# Altium PCB egse_pcb.PcbDoc (part 2 of 3) (continued)
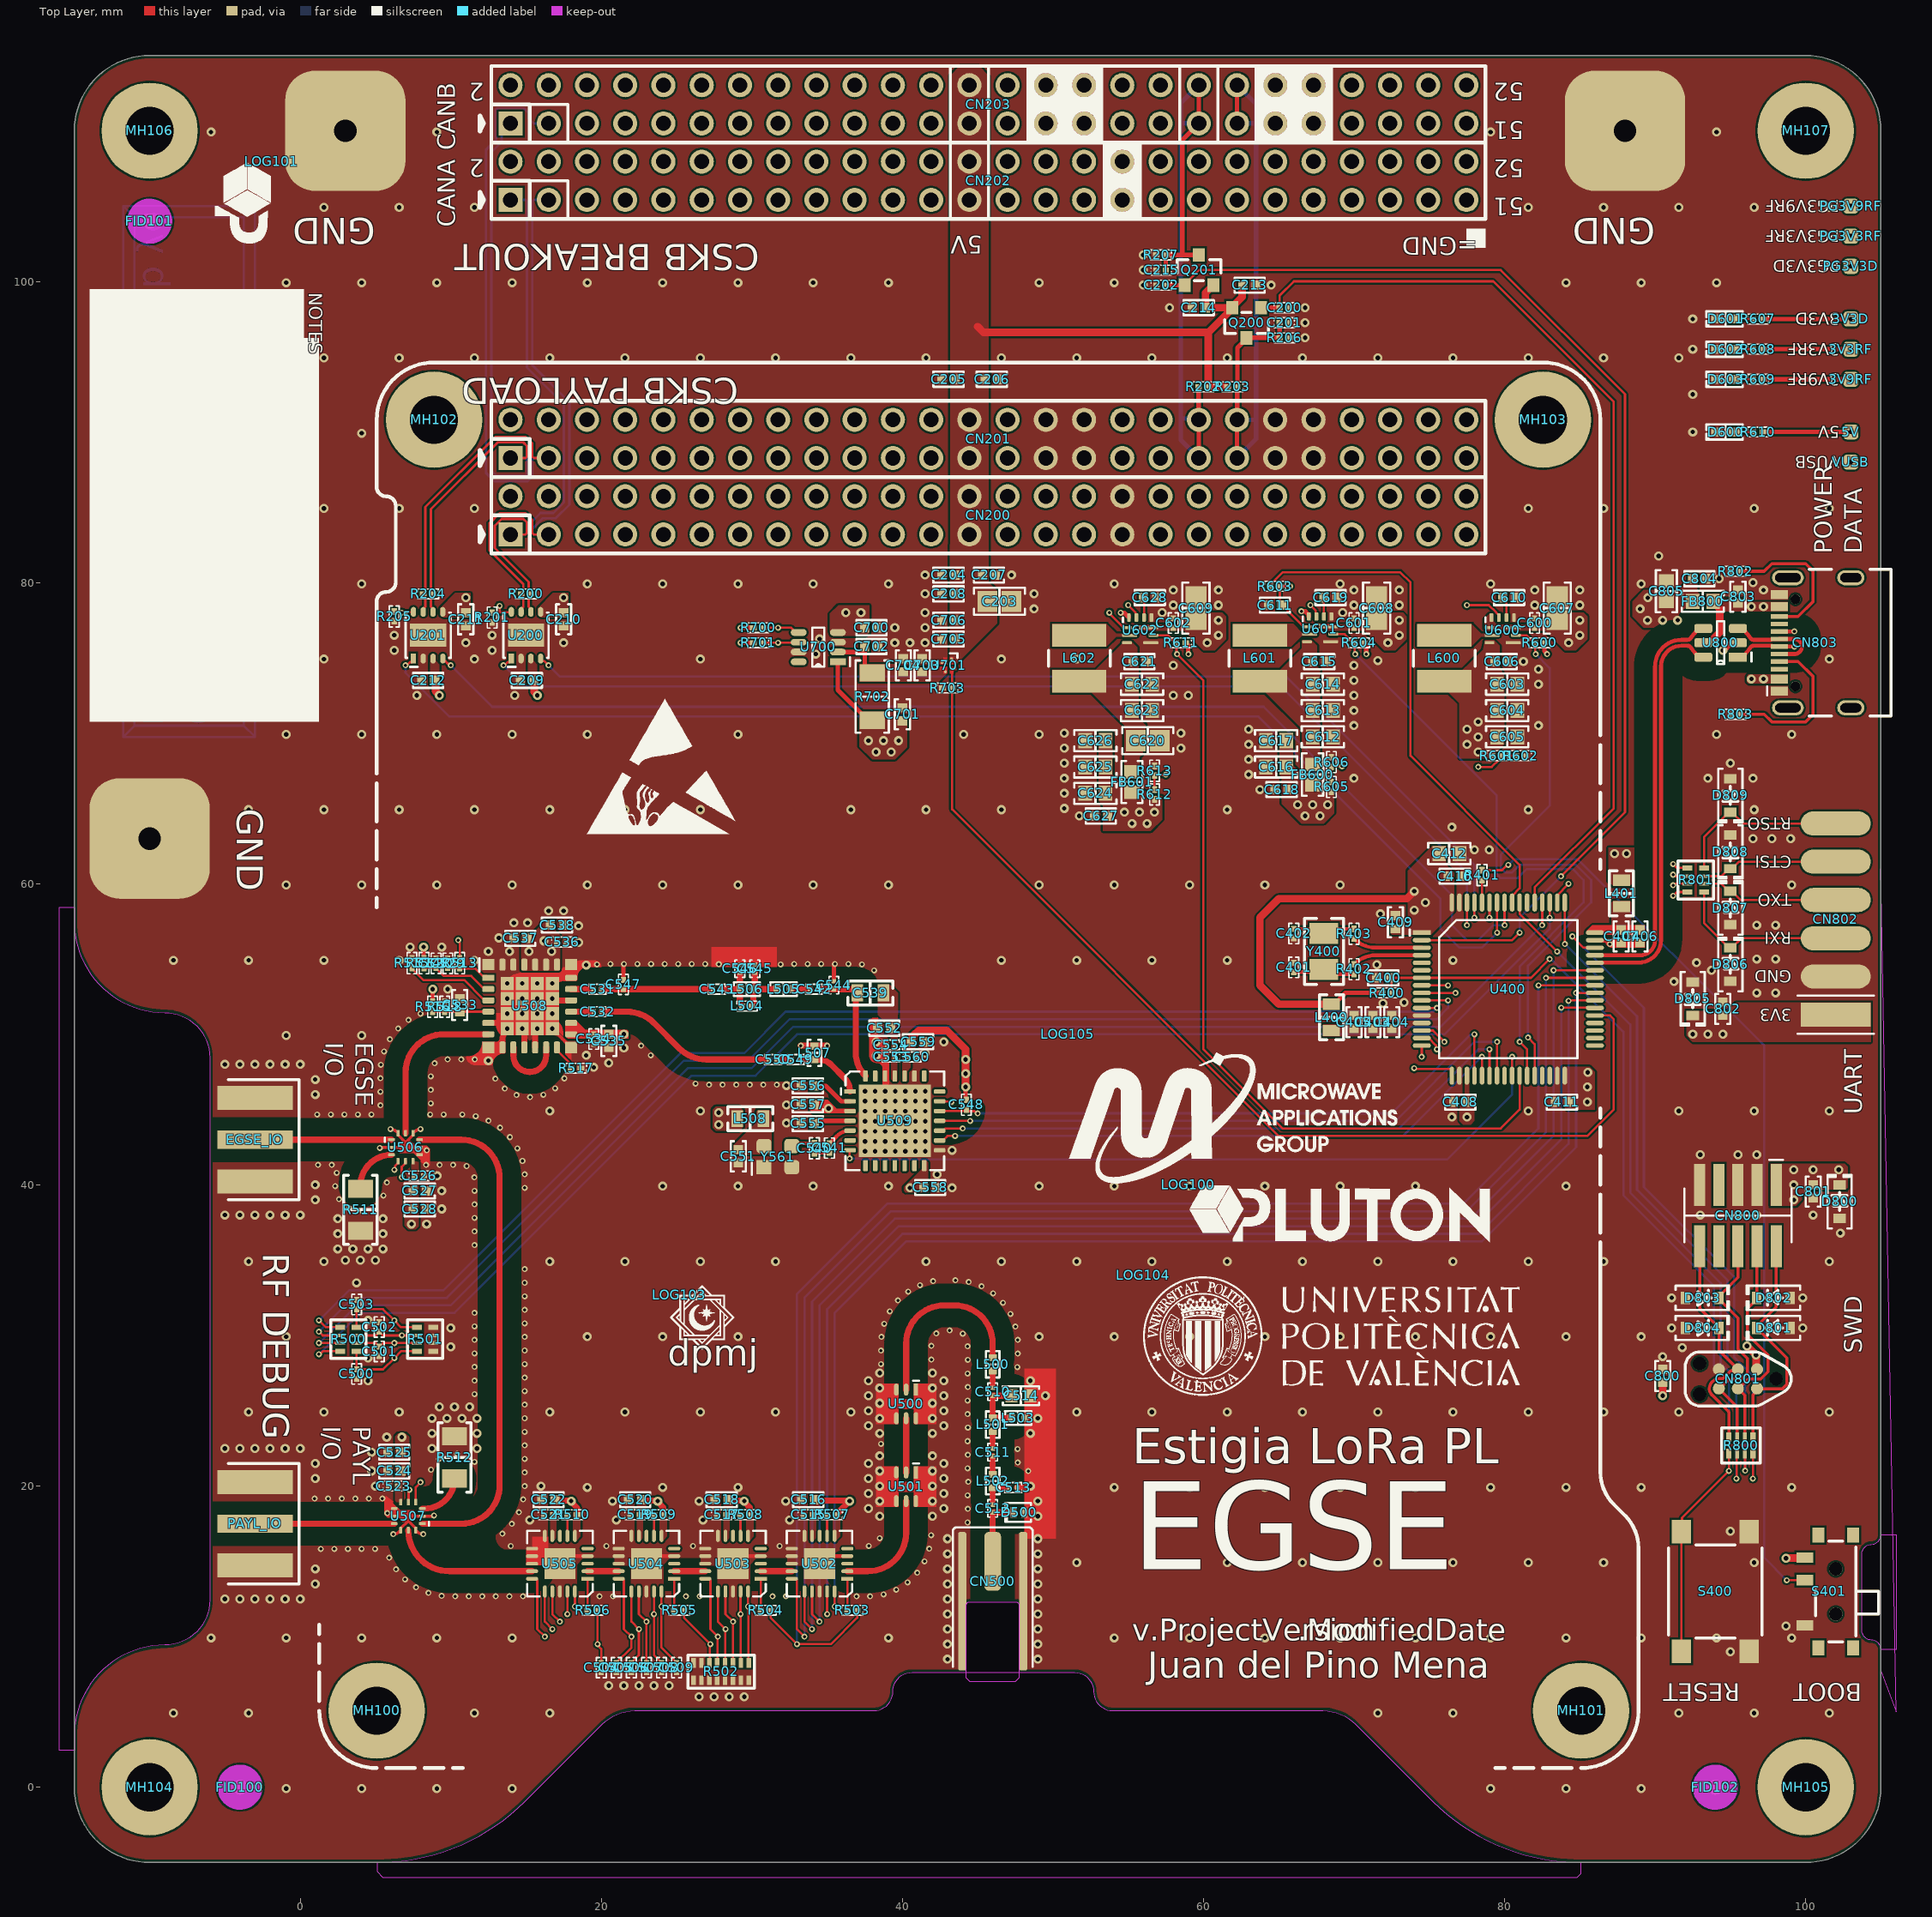
[diagram p0: Top Layer view]
## Nets (pads, with @x,y where several pads share a name; then routed paths per layer and width w, separated by ;. In a path a pad name is that pad's centre, name@x,y a point inside that pad or via, vN(x,y) a via of type N, cw(c..) or ccw(c..) an arc to the next point about the centre after c; other vN are vias at no path point) (continued)
  Bottom Layer w0.15: v2(13.5,74.5) 14.9,73.1 65.15,73.1 77.5,60.75 v2(77.5,57.25)
CAN2.RX: U201.4 U400.57 | length 81.4
  Top Layer w0.15: v2(80,57.25) U400.57@80,58.75
  Top Layer w0.16: U201.4@9.475,74.95 9.475,74.851 9.563,74.764 9.661,74.764 9.811,74.614 9.821,74.614 9.935,74.5 v2(10,74.5)
  Bottom Layer w0.15: v2(10,74.5) 12.75,71.75 64,71.75 76.5,59.25 76.5,57.25 77.5,56.25 78.25,56.25 79.25,57.25 v2(80,57.25)
CAN2.TX: U201.1 U400.58 | length 84.9
  Top Layer w0.15: v2(79.5,56.75) U400.58@79.5,58.75
  Top Layer w0.16: v2(7,74.5) 7.046,74.546 7.121,74.546 7.28,74.705 7.43,74.705 7.525,74.8 U201.1@7.525,74.95
  Bottom Layer w0.15: v2(7,74.5) 7,74 9.9,71.1 63.65,71.1 75.75,59 75.75,57 77,55.75 78.5,55.75 v2(79.5,56.75)
CAN_A_2_H: CN200.3 CN202.3 R200.2 U200.7 | length 39.1
  Top Layer w0.16: U200.7@14.675,78.05 14.675,78.244 14.82,78.389 14.82,79.061 14.815,79.066 14.815,79.155 R200.2@14.72,79.25 ; R200.2@14.675,79.25 R200.2@14.72,79.25 ; CN200.3@16.51,83.19 15.514,83.19 15.42,83.284 15.42,84.142 14.972,84.59 13.233,84.59 12.57,83.927 12.57,82.141 14.82,79.891 14.82,79.439 14.815,79.434 14.815,79.345 R200.2@14.72,79.25
  Bottom Layer w0.16: CN200.3@16.51,83.19 15.514,83.19 15.42,83.284 15.42,83.571 16.115,84.265 16.976,84.265 17.875,85.165 17.875,91.98 15.42,94.435 15.42,105.316 15.514,105.41 CN202.3@16.51,105.41
CAN_A_2_L: CN200.1 CN202.1 R200.1 U200.6 | length 37.9
  Top Layer w0.16: CN200.1@13.97,83.19 14.966,83.19 15.06,83.284 15.06,83.993 14.823,84.23 13.382,84.23 12.93,83.778 12.93,82.291 15.18,80.041 15.18,79.439 15.185,79.434 15.185,79.345 R200.1@15.28,79.25 ; U200.6@15.325,78.05 15.325,78.244 15.18,78.389 15.18,79.061 15.185,79.066 15.185,79.155 R200.1@15.28,79.25 ; R200.1@15.325,79.25 R200.1@15.28,79.25
  Bottom Layer w0.16: CN200.1@13.97,83.19 14.966,83.19 15.06,83.284 15.06,83.72 15.966,84.625 16.827,84.625 17.515,85.314 17.515,91.831 15.06,94.286 15.06,105.316 14.966,105.41 CN202.1@13.97,105.41
CAN_A_STBY: R201.2 U200.8 U400.16 | length 76.1
  Top Layer w0.16: R201.2@12.75,78 13.25,78 13.275,78.025 ; v2(13.25,78.455) 13.25,78.05 13.275,78.025 ; U200.8@14.025,78.05 14,78.025 13.275,78.025 ; v2(74.5,48.5) U400.16@74.5,49.25
  INT-SIG-1 w0.16: v2(13.25,78.455) 13.26,78.445 18.055,78.445 42.75,53.75 69.25,53.75 v2(74.5,48.5)
CAN_B_2_H: CN201.3 CN203.3 R204.2 U201.7 | length 52.7
  Top Layer w0.16: U201.7@8.175,78.05 8.175,78.244 8.32,78.389 8.32,79.061 8.315,79.066 8.315,79.155 R204.2@8.22,79.25 ; R204.2@8.175,79.25 R204.2@8.22,79.25 ; CN201.3@16.51,88.27 15.514,88.27 15.42,88.364 15.42,89.222 14.972,89.67 12.968,89.67 8.32,85.022 8.32,79.439 8.315,79.434 8.315,79.345 R204.2@8.22,79.25
  Bottom Layer w0.16: CN201.3@16.51,88.27 15.514,88.27 15.42,88.176 15.42,87.04 15.115,86.735 12.894,86.735 12.34,87.289 12.34,108.734 13.022,109.416 13.022,109.548 12.965,109.605 12.965,111.375 13.085,111.495 14.855,111.495 15.184,111.166 15.184,110.819 15.514,110.49 CN203.3@16.51,110.49
CAN_B_2_L: CN201.1 CN203.1 R204.1 U201.6 | length 45.4
  Top Layer w0.16: U201.6@8.825,78.05 8.825,78.244 8.68,78.389 8.68,79.061 8.685,79.066 8.685,79.155 R204.1@8.78,79.25 ; R204.1@8.825,79.25 R204.1@8.78,79.25 ; CN201.1@13.97,88.27 14.966,88.27 15.06,88.364 15.06,89.073 14.823,89.31 13.117,89.31 8.68,84.873 8.68,79.439 8.685,79.434 8.685,79.345 R204.1@8.78,79.25
  Bottom Layer w0.16: CN201.1@13.97,88.27 14.966,88.27 15.06,88.176 15.06,87.189 14.966,87.095 13.043,87.095 12.7,87.438 12.7,108.585 13.382,109.267 13.382,109.902 CN203.1@13.97,110.49
CAN_B_STBY: R205.2 U201.8 U400.17 | length 84.2
  Top Layer w0.16: R205.2@6.25,78.075 6.288,78.037 6.712,78.037 v2(6.75,78) 6.775,78.025 7.437,78.025 U201.8@7.525,78.113 ; U201.8@7.525,78.05 U201.8@7.525,78.113 ; U201.8@7.525,78.149 U201.8@7.525,78.113 ; v2(74,47.75) 74.046,47.704 76.435,47.704 76.5,47.639 U400.17@76.5,47.25
  INT-SIG-1 w0.16: v2(6.75,78) 17.5,78 42.5,53 68.75,53 v2(74,47.75)
DC3V3.FB_11: R601.1 R602.2 U600.9 | length 17.4
  Top Layer w0.15: v2(77.5,78.5) 78.954,78.5 79.45,78.004 79.45,78 79.625,77.825 U600.9@79.625,77.675 ; v2(78.25,67.75) 79.148,67.75 79.65,68.252 79.65,68.312 79.68,68.342 79.68,68.4 79.78,68.5 R602.2@80.75,68.5
  INT-SIG-1 w0.15: v2(77.5,78.5) 76.75,77.75 76.75,68.75 77.75,67.75 v2(78.25,67.75)
DC3V3.SS_11: C610.2 U600.8 | length 1.4
  Top Layer w0.15: C610.2@79.87,79 79.87,78.98 80.125,78.725 U600.8@80.125,77.675
DC3V3.SW_11: L600.1 U600.2
EN_BUS_PWR: R703.1 U400.37 U701.4 | length 70.5
  Top Layer w0.15: 43.38,74.18 43.31,74.11 ; U701.4@43.48,74.3 43.48,74.287 43.31,74.117 43.31,74.11 ; U400.37@86,51.25 87,51.25 87.25,51 87.25,45 85.5,43.25 65,43.25 43.31,64.94 R703.1@43.31,73 43.31,74.11
EN_RF_PWR: R603.2 U400.56 | length 34.5
  Top Layer w0.15: R603.2@64.425,79.75 64.47,79.75 64.57,79.85 64.57,79.989 65.269,80.688 73.062,80.688 73.75,80 73.75,68.5 81,61.25 81,59.695 80.5,59.195 U400.56@80.5,58.75
FE_TR: R513.2 U509.20 | length 40.1
  Top Layer w0.15: v2(10.5,56.25) 10.5,56.182 10.6,56.082 R513.2@10.6,55.05 ; U509.20@42.475,45.55 42.5,45.525 43.225,45.525 v2(43.25,45.5)
  INT-SIG-1 w0.15: v2(10.5,56.25) 10.5,54.75 11.25,54 19.5,54 26.25,47.25 41.5,47.25 v2(43.25,45.5)
GND: C200.1 C201.1 C202.1 C203.1 C204.1 C205.1 C206.1 C207.1 C208.1 C209.1 C210.1 C211.1 C212.1 C213.1 C214.1 C215.1 C400.1 C401.1 C402.1 C403.1 C404.1 C405.1 C406.1 C407.1 C408.1 C409.1 C410.1 C411.1 C412.1 C500.1 C501.1 C502.1 C503.1 C504.1 C505.1 C506.1 C507.1 C508.1 C509.1 C513.1 C514.1 C515.1 C516.1 C517.1 C518.1 C519.1 C520.1 C521.1 C522.1 C523.1 C524.1 C525.1 C526.1 C527.1 C528.1 C529.1 C530.1 C533.1 C534.1 C535.1 C536.1 C537.1 C538.1 C544.1 C545.1 C546.1 C547.1 C551.1 C552.1 C553.1 C554.2 C555.1 C556.1 C557.1 C558.1 C559.1 C560.1 C600.1 C601.1 C602.1 C603.1 C604.1 C605.1 C606.1 C607.1 C608.1 C609.1 C610.1 C611.1 C612.1 C613.1 C614.1 C615.1 C616.1 C617.1 C618.1 C619.1 C620.1 C621.1 C622.1 C623.1 C624.1 C625.1 C626.1 C627.1 C628.1 C700.1 C701.1 C702.1 C703.1 C704.1 C705.1 C706.1 C800.1 C801.1 C802.1 C803.1 C804.1 C805.1 CN200.33 CN200.34 CN201.29 CN201.30 CN201.31 CN201.32 CN201.41 CN201.42 CN201.43 CN201.44 CN202.33 CN202.34 CN203.29 CN203.30 CN203.31 CN203.32 CN203.41 CN203.42 CN203.43 CN203.44 CN500.2 CN800.3 CN800.5 CN800.9 CN801.5 CN802.2 CN803.A1-B12 CN803.B1-A12 D500.1 D600.2 D601.2 D602.2 D603.2 D800.1 D801.1 D802.1 D803.1 D804.1 D805.1 D806.1 D807.1 D808.1 D809.1 EGSE_IO.2 L503.2 L507.2 pad.GND1 pad.GND2 pad.GND3 PAYL_IO.2 R201.1 R205.1 R206.2 R207.2 R501.5 R501.6 R501.7 R501.8 R502.1 R502.2 R502.3 R502.4 R502.5 R502.6 R502.7 R502.8 R502.15 R502.16 R511.1 R512.1 R515.1 R517.1 R518.1 R602.1 R606.1 R613.1 R703.2 R802.1 R803.1 S400.A1 S400.A2 S401.1 U200.0 U200.2 U201.0 U201.2 U400.12 U400.18 U400.31 U400.47 U400.63 U500.0 U500.1 U500.3 U500.4 U500.6 U501.0 U501.1 U501.3 U501.4 U501.6 U502.0 U502.4 U502.10 U502.11 U502.12 U502.13 U502.18 U503.0 U503.4 U503.10 U503.11 U503.12 U503.13 U503.18 U504.0 U504.4 U504.10 U504.11 U504.12 U504.13 U504.18 U505.0 U505.4 U505.10 U505.11 U505.12 U505.13 U505.18 U506.0 U506.2 U506.7 U506.8 U506.10 U506.12 U507.0 U507.2 U507.7 U507.8 U507.10 U507.12 U508.0 U508.1 U508.6 U508.8 U508.9 U508.11 U508.12 U508.15 U508.19 U508.21 U508.22 U508.27 U508.28 U509.0 U509.15 U509.23 U509.26 U600.4 U600.7 U601.4 U601.7 U602.4 U602.7 U700.3 U700.7 U701.2 U800.2 Y561.1 Y561.2 | length 30.3
  Top Layer w0.2: v2(5.288,42.453) cw(c5.403,42.338) 5.403,42.5 U506.2@6.07,42.5 U506.0@7,42.5 ; v2(6,43.7) cw(c6,43.145) 6.392,43.538 U506.12@6.5,43.43 6.5,43.31 7,42.81 ; v2(6.18,16.8) ccw(c6.18,17.355) 6.573,16.963 U507.10@6.68,17.07 ; U507.10@6.68,17.19 7.18,17.69 U507.12@7.68,17.19 ; U507.0@7.18,18 U507.2@8.11,18 v2@8.777,18 ; U507.12@7.68,17.07 7.787,16.963 ccw(c8.18,17.355) v2(8.18,16.8) ; v2(8,43.7) ccw(c8,43.145) 7.607,43.537 U506.10@7.5,43.43 7.5,43.31 7,42.81 ; v2(8.364,41.329) 8.326,41.368 8.326,41.724 8.05,42 U506.7@7.93,42 U506.8@7.93,42.5 U506.0@7,42.5 ; v4(16.75,50.375) U508.15@17.999,49.126 ; U506.0@7,42.5 7,42.81
  Top Layer w0.3: C547.1@21.47,53.62 21.47,54.605 21.509,54.644 v2(21.509,54.671) ; C544.1@35.45,53.52 35.45,54.671 v2(35.512,54.671)
  Top Layer w0.4: U508.6@12.5,50.75 13.845,50.75 cw(c13.845,49.47) v4(14.75,50.375) cw(c14.419,50.044) 14.887,50.044 U508.11@14.887,49.125 ; U508.9@13.437,49.125 13.437,49.619 cw(c14.506,49.619) v4(13.75,50.375) ; U508.12@15.612,49.125 15.612,50.042 cw(c16.083,50.042) v4(15.75,50.375) ; v4(16.75,52.375) ccw(c17.052,52.677) 17.052,52.25 U508.19@17.999,52.25 ; v4(16.75,53.375) cw(c17.655,52.47) 17.655,53.75 U508.21@17.999,53.75 U508.22@17.999,54.625
  Top Layer w0.408: v2(33.25,49.25) 33.894,49.25 33.903,49.241 34.124,49.241 L507.2@34.16,49.205 ; L507.2@34.142,49.222 L507.2@34.16,49.241 ; L507.2@34.16,49.25 v2(35,49.25) ; C513.1@47.62,19.9 48.348,19.9 48.448,20 v1(48.5,20) ; D500.1@48.1,18.25 49.25,18.25 ; v1(94.5,75.5) 94.552,75.5 94.956,75.904 95.404,75.904 U800.2@95.5,76
  other v1: -0.923,-0.085 4.077,-0.085 9.077,-0.085 14.077,-0.085 79.077,-0.085 84.077,-0.085 89.077,-0.085 -8.423,4.915 -3.423,4.915 11.577,4.915 16.577,4.915 71.577,4.915 76.577,4.915 91.577,4.915 96.577,4.915 101.577,4.915 26.5,6 27.5,6 28.5,6 29.5,6 20.5,6.75 21.5,6.75 22.5,6.75 23.5,6.75 24.5,6.75 43,8.5 49,8.5 95,9 43,9.5 49,9.5 -5.923,9.915 -0.923,9.915 4.077,9.915 9.077,9.915 14.077,9.915 39.077,9.915 54.077,9.915 59.077,9.915 64.077,9.915 69.077,9.915 74.077,9.915 79.077,9.915 84.077,9.915 89.077,9.915 94.077,9.915 99.077,9.915 43,10.5 49,10.5 98.7,10.7 43,11.5 49,11.5 -5,12.5 -4,12.5 -3,12.5 -2,12.5 -1,12.5 0,12.5 43,12.5 49,12.5 1,13.5 43,13.5 49,13.5 1,14.5 43,14.5 49,14.5 51.577,14.915 56.577,14.915 61.577,14.915 66.577,14.915 71.577,14.915 76.577,14.915 81.577,14.915 86.577,14.915 96.577,14.915 43,15.5 49,15.5 43,16.5 49,16.5 95,17 15.25,17.75 21,17.75 26.75,17.75 32.5,17.75 38.5,18 42,18 49,18 37.75,18.5 42.75,18.5 20.75,19 26.5,19 32.25,19 38.5,19 42,19 49,19 37.75,19.5 42.75,19.5 19.077,19.915 24.077,19.915 29.077,19.915 54.077,19.915 59.077,19.915 64.077,19.915 69.077,19.915 74.077,19.915 79.077,19.915 84.077,19.915 89.077,19.915 99.077,19.915 5,20 16,20 38.5,20 42,20 1,20.5 37.75,20.5 42.75,20.5 4.75,21 38.5,21 42,21 1,21.5 37.75,21.5 42.75,21.5 38.5,22 42,22 4.75,22.25 -5,22.5 -4,22.5 -3,22.5 -2,22.5 -1,22.5 0,22.5 8.75,22.5 11.75,22.5 5.75,23.25 8.75,23.5 11.75,23.5 38.5,23.5 42,23.5 48.5,23.5 37.75,24 42.75,24 8.75,24.5 9.75,24.5 10.75,24.5 11.75,24.5 38.5,24.5 42,24.5 49,24.5 -3.423,24.915 1.577,24.915 6.577,24.915 16.577,24.915 21.577,24.915 26.577,24.915 31.577,24.915 36.577,24.915 51.577,24.915 56.577,24.915 61.577,24.915 66.577,24.915 71.577,24.915 76.577,24.915 81.577,24.915 86.577,24.915 91.577,24.915 101.577,24.915 37.75,25 42.75,25 9.25,25.25 10.25,25.25 11.25,25.25 38.5,25.5 42,25.5 37.75,26 42.75,26 49.5,26 38.5,26.5 42,26.5 4.5,27 37.75,27 42.75,27 48.5,27 38.5,27.5 42,27.5 4.5,28.5 90.5,28.6 91.8,29.2 10,29.25 -0.923,29.915 19.077,29.915 24.077,29.915 29.077,29.915 49.077,29.915 54.077,29.915 59.077,29.915 64.077,29.915 69.077,29.915 74.077,29.915 79.077,29.915 84.077,29.915 89.077,29.915 10,30.5 91.1,30.5 99.8,30.5 4.5,31 91.1,32.5 99.8,32.5 3.75,33.5 -3.423,34.915 1.577,34.915 16.577,34.915 21.577,34.915 26.577,34.915 31.577,34.915 41.577,34.915 46.577,34.915 51.577,34.915 56.577,34.915 61.577,34.915 66.577,34.915 71.577,34.915 76.577,34.915 81.577,34.915 86.577,34.915 101.577,34.915 3,35 4,35 5,35 2.5,35.75 3.5,35.75 4.5,35.75 5.5,35.75 2.5,36.75 5.5,36.75 102.3,36.8 8.4,37.4 2.5,37.75 5.5,37.75 -5,38 -4,38 -3,38 -2,38 -1,38 0,38 93,38 95.5,38 96.75,38 100.5,38 9.4,38.4 1,39 9.4,39.6 43.3,39.8 24.077,39.915 29.077,39.915 34.077,39.915 39.077,39.915 49.077,39.915 54.077,39.915 59.077,39.915 64.077,39.915 69.077,39.915 74.077,39.915 84.077,39.915 1,40 9.1,40.6 42.3,40.7 93,42 95.5,42 96.75,42 43.3,42.3 32.3,44.1 76.5,44.5 16.577,44.915 26.577,44.915 81.577,44.915 91.577,44.915 96.577,44.915 101.577,44.915 32.3,45.3 1,46 32.3,46.6 1,47 19.5,47.8 -5,48 -4,48 -3,48 -2,48 -1,48 0,48 20.5,48.1 12.5,48.25 38.25,48.59 19,48.6 41.5,48.75 21.5,49.1 38.25,49.5 42.75,49.5 -0.923,49.915 4.077,49.915 71.917,52.055 73.327,52.113 96.75,52.75 98,52.75 9.8,53 91.25,53.5 93.75,54.25 19,54.6 71.517,54.621 92.75,54.75 -8.423,54.915 -3.423,54.915 1.577,54.915 6.577,54.915 11.577,54.915 46.577,54.915 51.577,54.915 56.577,54.915 61.577,54.915 76.577,54.915 96.75,55 98,55 12.5,55.5 13.9,55.5 7.3,55.8 9.4,55.8 18.5,56.1 13.2,56.4 18.5,57.2 96.75,57.25 98,57.25 14.2,57.4 15.1,57.4 71.75,58 16.5,58.2 17.5,58.2 -0.923,59.915 4.077,59.915 9.077,59.915 14.077,59.915 19.077,59.915 24.077,59.915 29.077,59.915 34.077,59.915 39.077,59.915 49.077,59.915 54.077,59.915 59.077,59.915 64.077,59.915 69.077,59.915 99.077,59.915 78,62.25 78.975,62.25 96.5,63 97.75,63 99,63 76.5,63.75 51.75,64.5 -3.423,64.915 1.577,64.915 6.577,64.915 11.577,64.915 16.577,64.915 21.577,64.915 26.577,64.915 36.577,64.915 41.577,64.915 46.577,64.915 61.577,64.915 81.577,64.915 96.577,64.915 50.75,65 50.75,66 63.75,66.25 50.75,67 70,67 93.5,67 96.5,67 63,67.25 50.75,68 95,68 63,68.25 50.75,69 58.5,69 63,69.25 -0.923,69.915 4.077,69.915 9.077,69.915 14.077,69.915 19.077,69.915 24.077,69.915 29.077,69.915 44.077,69.915 49.077,69.915 94.077,69.915 99.077,69.915 50.75,70 58.5,70 63,70.25 70,70.5 82.25,70.5 70,71.5 7.75,72.5 14.25,72.5 58,72.5 59,72.5 70,72.5 82.25,73.25 70,73.5 82.25,74.25 58,74.5 70,74.5 81.25,74.75 71.577,74.825 1.577,74.915 11.577,74.915 26.577,74.915 46.577,74.915 51.577,74.915 101.577,74.915 34.25,75.25 6.25,75.5 12.75,75.5 11,76 17.5,76 39.5,76 40.5,76 41.5,76 34.5,76.25 6.25,76.5 12.75,76.5 39.5,77 41.5,77 41.5,78 57.25,78 69.25,78 48.75,78.25 58,78.5 61,78.5 70,78.5 73,78.5 82,78.5 85,78.5 41.5,79.25 48.75,79.25 58,79.5 61,79.5 70,79.5 73,79.5 82,79.5 85,79.5 97.2,79.5 -0.923,79.915 4.077,79.915 19.077,79.915 24.077,79.915 29.077,79.915 34.077,79.915 39.077,79.915 54.077,79.915 69.077,79.915 79.077,79.915 89.077,79.915 96.5,80 94.25,80.25 41.5,80.5 47.25,80.5 90.237,81.763 1.577,84.915 6.577,84.915 11.577,84.915 81.577,84.915 86.577,84.915 96.577,84.915 101.577,84.915 -0.923,89.915 4.077,89.915 92.5,90 92.5,92.5 1.577,94.915 6.577,94.915 11.577,94.915 16.577,94.915 21.577,94.915 26.577,94.915 31.577,94.915 36.577,94.915 41.577,94.915 46.577,94.915 51.577,94.915 56.577,94.915 61.577,94.915 66.577,94.915 71.577,94.915 76.577,94.915 81.577,94.915 86.577,94.915 91.577,94.915 92.5,95.5 66.75,96.25 66.75,97.25 92.5,97.5 57.75,98.25 66.75,98.25 56,99.75 64.5,99.75 -0.923,99.915 4.077,99.915 9.077,99.915 14.077,99.915 19.077,99.915 24.077,99.915 29.077,99.915 34.077,99.915 39.077,99.915 49.077,99.915 54.077,99.915 84.077,99.915 89.077,99.915 94.077,99.915 56,100.75 56,101.75 1.577,104.915 6.577,104.915 11.577,104.915 81.577,104.915 86.577,104.915 91.577,104.915 96.577,104.915 101.577,104.915 -5.923,109.915 9.077,109.915 79.077,109.915 94.077,109.915
  other v2: 10.296,12.674 11.196,12.674 12.096,12.674 12.996,12.674 13.896,12.674 14.796,12.674 19.878,12.674 20.778,12.674 25.628,12.674 26.528,12.674 31.378,12.674 32.278,12.674 36.956,12.674 37.856,12.677 9.396,12.705 38.747,12.808 8.518,12.903 39.59,13.122 7.697,13.272 40.348,13.606 6.97,13.802 40.985,14.242 6.366,14.469 41.47,15 5.908,15.244 1.373,15.829 2.273,15.829 3.173,15.829 4.073,15.829 4.973,15.829 41.786,15.843 13.985,16.016 20.345,16.016 26.095,16.016 31.845,16.016 37.763,16.025 38.501,16.54 41.918,16.733 13.436,16.836 14.058,17.486 44.329,17.582 8.892,18.047 5.78,18.2 14.524,18.256 44.354,18.481 14.813,19.109 0.961,19.171 1.861,19.171 2.761,19.171 3.661,19.171 4.561,19.171 5.461,19.171 44.329,19.381 14.92,20.002 44.378,20.28 14.921,20.902 48.363,20.988 8.69,21.085 44.329,21.178 47.671,21.563 11.579,21.607 9.226,21.807 14.921,21.802 44.342,22.078 10.425,22.152 47.649,22.463 14.921,22.702 38.579,22.795 44.329,22.978 14.921,23.602 44.354,23.878 14.921,24.502 44.329,24.778 14.921,25.402 44.329,25.678 11.579,26.107 14.921,26.302 44.342,26.577 11.579,27.007 14.921,27.202 44.329,27.477 11.579,27.907 47.644,27.902 14.921,28.102 38.579,28.101 44.348,28.377 41.921,28.403 11.579,28.807 47.671,28.802 14.921,29.002 38.579,29.001 44.329,29.277 41.921,29.303 11.579,29.707 47.661,29.702 38.605,29.901 14.921,29.902 44.013,30.12 42.259,30.137 43.138,30.329 11.579,30.607 47.515,30.59 38.797,30.78 14.921,30.802 47.181,31.426 11.579,31.507 39.168,31.6 14.921,31.702 46.676,32.171 39.703,32.323 14.921,32.602 46.03,32.797 40.383,32.913 45.262,33.267 41.173,33.344 14.921,33.502 44.41,33.558 42.035,33.603 43.517,33.668 14.921,34.402 11.579,36.007 11.579,36.907 11.579,37.807 4.132,38.27 3.249,38.443 4.976,38.581 11.579,38.707 2.585,39.051 5.533,39.288 11.579,39.607 14.921,39.802 2.325,39.912 5.754,40.161 11.57,40.507 14.911,40.702 2.431,40.806 11.06,41.249 1.193,41.329 2.093,41.329 9.264,41.329 10.164,41.329 14.765,41.59 8.4,42.3 14.431,42.426 13.926,43.171 13.28,43.797 12.512,44.267 11.66,44.558 1.135,44.671 2.035,44.671 2.935,44.671 3.835,44.671 4.735,44.671 8.629,44.671 9.529,44.671 10.767,44.668 5.329,45.281 8.671,45.413 15.266,45.824 14.378,45.971 16.152,45.98 5.329,46.181 8.671,46.313 13.583,46.395 16.941,46.413 27.164,46.654 28.064,46.654 28.964,46.654 29.864,46.654 30.764,46.654 31.664,46.654 26.266,46.718 12.962,47.045 5.329,47.081 17.554,47.073 8.671,47.213 5.361,47.981 8.932,48.074 9.795,48.329 10.695,48.329 11.595,48.329 23.283,48.605 5.567,48.857 22.646,49.241 5.959,49.667 6.508,50.38 7.198,50.958 7.996,51.374 38.119,54.239 19.709,54.639 37.312,54.637 27.808,54.653 31.913,54.645 20.609,54.671 22.409,54.671 23.309,54.671 24.209,54.671 25.109,54.671 26.009,54.671 26.909,54.671 32.812,54.671 33.712,54.671 34.612,54.671 36.412,54.671 87,56
  other v3: 37.525,42.225 38.19,42.225 38.86,42.225 39.525,42.225 40.19,42.225 40.86,42.225 41.525,42.225 37.525,42.89 38.19,42.89 38.86,42.89 39.525,42.89 40.19,42.89 40.86,42.89 41.525,42.89 37.525,43.56 38.19,43.56 38.86,43.56 39.525,43.56 40.19,43.56 40.86,43.56 41.525,43.56 37.525,44.225 38.19,44.225 38.86,44.225 39.525,44.225 40.19,44.225 40.86,44.225 41.525,44.225 37.525,44.89 38.19,44.89 38.86,44.89 39.525,44.89 40.19,44.89 40.86,44.89 41.525,44.89 37.525,45.56 38.19,45.56 38.86,45.56 39.525,45.56 40.19,45.56 40.86,45.56 41.525,45.56 37.525,46.225 38.19,46.225 38.86,46.225 39.525,46.225 40.19,46.225 40.86,46.225 41.525,46.225
  other v4: 13.75,51.375 14.75,51.375 15.75,51.375 16.75,51.375 13.75,52.375 14.75,52.375 15.75,52.375 13.75,53.375 14.75,53.375 15.75,53.375
HEAD.CTS_4: CN802.5 D808.2 R801.3 | length 9.1
  Top Layer w0.15: R801.3@93.25,60.5 94.398,60.5 94.898,61 D808.2@95,61 95.102,61 95.562,61.46 CN802.5@102,61.46
HEAD.NRST_4: CN800.10 CN801.3 D804.2 R800.4 | length 15.6
  Top Layer w0.2: CN800.10@92.96,35.93 92.96,31.79 93.935,30.815 94.037,30.815 94.25,30.602 D804.2@94.25,30.5 94.25,29 CN801.3@95.5,27.75 95.398,27.648 95.012,27.648 94.489,27.125 94.065,27.125 94.049,27.109 94.012,27.08 93.901,27.012 ccw(c94.23,26.48) 93.788,26.038 94.846,24.98 cw(c94.716,24.85) 94.9,24.85 R800.4@94.9,23.25
HEAD.RTS_4: CN802.6 D809.2 R801.4 | length 11.8
  Top Layer w0.15: R801.4@93.25,61.05 93.25,63.102 94.898,64.75 D809.2@95,64.75 95.102,64.75 95.853,64 CN802.6@102,64
HEAD.RX_4: CN802.3 D806.2 R801.1 | length 11.7
  Top Layer w0.15: R801.1@93.25,59.45 93.25,57.398 94.898,55.75 D806.2@95,55.75 95.102,55.75 95.732,56.38 CN802.3@102,56.38
HEAD.SWCLK_4: CN800.4 CN801.4 D802.2 R800.2 | length 15
  Top Layer w0.2: R800.2@95.95,23.25 95.95,26.03 CN801.4@95.5,26.48 95.574,26.48 96.199,27.105 97.009,27.105 97.5,27.596 97.5,28.7 96.125,30.075 96.125,31.773 96.76,32.407 CN800.4@96.76,35.92
  Top Layer w0.3: CN800.4@96.76,35.92 CN800.4@96.77,35.93
HEAD.SWDIO_4: CN800.2 CN801.2 D801.2 R800.1 | length 16.1
  Top Layer w0.2: R800.1@96.5,23.25 96.5,26.063 96.77,26.333 CN801.2@96.77,26.48 96.81,26.44 98.44,26.44 98.75,26.75 98.75,28.5 97.065,30.185 96.963,30.185 96.75,30.398 D801.2@96.75,30.5 ; D801.2@96.75,30.602 98.04,31.892 CN800.2@98.04,35.93
  Top Layer w0.3: D801.2@96.75,30.5 D801.2@96.75,30.602
HEAD.SWO_4: CN800.6 CN801.6 D803.2 R800.3 | length 15.8
  Top Layer w0.2: D803.2@94.25,32.5 94.25,32.397 95.5,31.147 95.5,29.1 96.125,28.475 96.125,27.491 95.739,27.105 94.929,27.105 94.304,26.48 CN801.6@94.23,26.48 95.45,25.26 R800.3@95.45,23.25 ; D803.2@94.25,32.602 95.5,33.852 CN800.6@95.5,35.93
  Top Layer w0.3: D803.2@94.25,32.5 D803.2@94.25,32.602
HEAD.TX_4: CN802.4 D807.2 R801.2 | length 9.2
  Top Layer w0.15: R801.2@93.25,60 94.397,60 94.898,59.5 D807.2@95,59.5 95.102,59.5 95.683,58.92 CN802.4@102,58.92
I2C2.SCL: U400.29
I2C2.SDA: U400.30
I2C3.SCL: R700.1 U400.8 U700.5 | length 61.4
  Top Layer w0.15: R700.1@30.75,77 v2(31.75,77) ; v2@31.752,76.998 32.616,76.998 32.704,76.91 32.704,76.877 32.896,76.685 U700.5@33.115,76.685 ; U400.8@74.5,53.25 v2(76.25,53.25)
  INT-SIG-1 w0.15: v2(31.75,77) 32.5,76.25 32.5,71.5 47,57 72.5,57 v2(76.25,53.25)
I2C3.SDA: R701.1 U400.9 U700.6 | length 62
  Top Layer w0.15: R701.1@30.75,76 v2(31.75,76) 31.768,76.018 33.098,76.018 U700.6@33.115,76.035 ; U400.9@74.5,52.75 v2(76.75,52.75)
  INT-SIG-1 w0.15: v2(31.75,76) 31.793,75.957 31.793,71.207 46.707,56.293 72.207,56.293 75.7,52.8 76.7,52.8 v2(76.75,52.75)
KILL_3V3: C200.2 Q200.1 U400.53 | length 63.4
  Top Layer w0.15: C200.2@65.06,98.25 65.06,99.06 66,100 79.25,100 87.25,92 87.25,65 82,59.75 U400.53@82,58.75
  Top Layer w0.3: Q200.1@63.81,98.25 C200.2@65.06,98.25
KILL_5V: C201.2 CN201.39 CN201.40 CN203.39 CN203.40 Q200.3 R203.1 R206.1 | length 42.3
  Top Layer w0.3: CN201.39@62.23,88.27 CN201.40@62.23,90.81 62.24,90.82 62.24,92.99 R203.1@62.25,93 62.25,95.59 62.86,96.2 Q200.3@62.86,96.25 R206.1@65.06,96.25 C201.2@65.06,97.25 ; CN203.39@62.23,110.49 CN203.40@62.23,113.03
  Bottom Layer w0.3: CN201.39@62.23,88.27 63.5,89.54 63.5,90.81 ; CN201.40@62.23,90.81 63.5,90.81 ; CN203.39@62.23,110.49 63.467,110.49 63.5,110.523 ; CN203.40@62.23,113.03 63.5,111.76 63.5,110.523 ; 63.5,90.81 63.5,110.523
MCU_NRESET: C400.2 R400.1 R800.5 S400.B1 S400.B2 U400.7 | length 65.6
  Top Layer w0.15: R400.1@72.5,52.75 72.5,53.63 C400.2@72.38,53.75 U400.7@74.5,53.75 81.75,53.75 v2(83,55) ; S400.B2@91.75,9.025 S400.B1@91.75,16.975 91.787,17.012 91.787,17.887 v2(94.9,21) R800.5@94.9,22.15
  Bottom Layer w0.15: v2(83,55) 83.066,55 87.9,50.166 87.9,39.305 93.905,33.3 93.905,27.995 94.9,27 v2(94.9,21)
MID_BPF_6: C510.2 C514.2 L501.1 L503.1 | length 4
  Top Layer w0.408: L503.1@47.25,24.52 L501.1@46,24.52 C510.2@46,26 C514.2@47.25,26
NetC401_2: C401.2 R402.1 Y400.1 | length 4.1
  Top Layer w0.25: C401.2@66,54.13 67.59,54.13 ccw(c67.59,54.71) Y400.1@68,54.3 ccw(c68.724,55.024) 68.724,54 R402.1@70,54
NetC402_2: C402.2 R403.1 Y400.2 | length 4.2
  Top Layer w0.25: C402.2@66,57 67.276,57 cw(c67.276,55.976) Y400.2@68,56.7 cw(c68.724,55.976) 68.724,57 R403.1@70,57
NetC510_1: C510.1 L500.2 | length 1
  Top Layer w0.408: 46,26.67 L500.2@46,27.64
NetC511_1: C511.1 L501.2 | length 1
  Top Layer w0.408: C511.1@46,22.65 L501.2@46,23.64
NetC540_2: C540.2 C541.2 | length 1
  Top Layer w0.25: C540.2@34.16,42.105 cw(c34.232,42.033) 34.232,42.135 C541.2@35.16,42.135
NetCN803_A5: CN803.A5 R803.2 | length 10.4
  Top Layer w0.2: R803.2@95.65,71.25 97.25,71.25 97.75,70.75 100,70.75 100.5,71.25 100.5,73.75 99.5,74.75 CN803.A5@98.245,74.75
NetCN803_B5: CN803.B5 R802.2 | length 9.9
  Top Layer w0.2: R802.2@95.65,80.75 97.25,80.75 97.75,81.25 100,81.25 100.5,80.75 100.5,78.75 99.5,77.75 CN803.B5@98.245,77.75
NetD600_1: D600.1 R610.1 | length 1.3
  Top Layer w0.15: D600.1@95.25,90 R610.1@96.5,90
NetD601_1: D601.1 R607.1 | length 1.3
  Top Layer w0.15: D601.1@95.25,97.5 R607.1@96.5,97.5
NetD602_1: D602.1 R608.1 | length 1.3
  Top Layer w0.15: D602.1@95.25,95.5 R608.1@96.5,95.5
NetD603_1: D603.1 R609.1 | length 1.3
  Top Layer w0.15: D603.1@95.25,93.5 R609.1@96.5,93.5
NetR401_1: R401.1 S401.2 | length 61.5
  Top Layer w0.15: R401.1@78.5,60.9 79.832,60.9 80.182,61.25 v2(80.25,61.25) ; v2(98.75,13.75) S401.2@99.95,13.75
  Bottom Layer w0.15: v2(80.25,61.25) 80.625,61.625 84.875,61.625 97.25,49.25 97.25,15.25 v2(98.75,13.75)
NetR401_2: R401.2 U400.60 | length 1.5
  Top Layer w0.15: U400.60@78.5,58.75 R401.2@78.5,60.25
NetR503_2: R503.2 U502.1 | length 2.1
  Top Layer w0.15: U502.1@36.345,13.845 36.35,13.84 R503.2@36.35,11.75
NetR504_2: R504.2 U503.1 | length 2.1
  Top Layer w0.15: U503.1@30.595,13.845 30.6,13.84 R504.2@30.6,11.75
NetR505_2: R505.2 U504.1 | length 2.1
  Top Layer w0.15: U504.1@24.845,13.845 24.85,13.84 R505.2@24.85,11.75
NetR506_2: R506.2 U505.1 | length 2.1
  Top Layer w0.15: U505.1@19.095,13.845 19.1,13.84 R506.2@19.1,11.75
NetR507_1: R507.1 U502.7 | length 1.4
  Top Layer w0.15: U502.7@35,16.69 R507.1@35,18.095
NetR508_1: R508.1 U503.7 | length 1.4
  Top Layer w0.15: U503.7@29.25,16.69 R508.1@29.25,18.095
NetR509_1: R509.1 U504.7 | length 1.4
  Top Layer w0.15: U504.7@23.5,16.69 R509.1@23.5,18.095
NetR510_1: R510.1 U505.7 | length 1.4
  Top Layer w0.15: U505.7@17.75,16.69 R510.1@17.75,18.095
OSC32.IN_5: R403.2 U400.3 | length 4.7
  Top Layer w0.25: R403.2@70,56.35 ccw(c71.449,57.799) 71.449,55.75 U400.3@74.5,55.75
OSC32.OUT_5: R402.2 U400.4 | length 4.7
  Top Layer w0.25: R402.2@70,54.65 cw(c71.449,53.201) 71.449,55.25 U400.4@74.5,55.25
PGOOD.3V3DC: PG3V3D.0 R600.1 U400.28 U600.5 | length 76.9
  Top Layer w0.15: U600.5@80.75,76.5 81.455,76.5 81.955,76 R600.1@82,76 82.038,75.962 82.038,75.287 v2(82.075,75.25) ; v2(81.559,49.78) 82,49.339 U400.28@82,47.25
  INT-SIG-1 w0.15: v2(82.075,75.25) 81,76.325 81,82 100,101 PG3V3D.0@103,101
  Bottom Layer w0.15: v2(81.559,49.78) 81.559,54.559 85.75,58.75 85.75,60.25 84.75,61.25 81,61.25 80.497,60.747 80.031,60.747 79.75,61.028 79.75,61.929 83,65.179 83,74.325 v2(82.075,75.25)
PGOOD.3V3RF: PG3V3RF.0 R604.1 U400.27 U601.5 | length 88.4
  Top Layer w0.15: U601.5@68.625,76.575 69.38,76.575 69.955,76 R604.1@70,76 70.038,75.962 70.038,75.287 v2(70.075,75.25) ; v2(81,49.5) 81.5,49 U400.27@81.5,47.25
  INT-SIG-1 w0.15: v2(70.075,75.25) 72,77.175 72,80 73,81 79.5,81 101.5,103 PG3V3RF.0@103,103
  Bottom Layer w0.15: v2(70.075,75.25) 79.475,65.85 79.475,60.636 79.746,60.365 80.865,60.365 81.475,60.975 84.525,60.975 85.25,60.25 85.25,58.75 81,54.5 v2(81,49.5)
PGOOD.3V9RF: PG3V9RF.0 R611.1 U400.26 U602.5 | length 112.9
  Top Layer w0.15: U602.5@56.675,76.5 57.63,76.5 58.13,76 R611.1@58.175,76 58.212,75.962 58.212,75.287 v2(58.25,75.25) 60,73.5 60,49 65.25,43.75 79.75,43.75 81,45 U400.26@81,47.25
  INT-SIG-1 w0.15: v2(58.25,75.25) 58.75,75.75 59.5,75.75 60,75.25 62.25,75.25 68.5,81.5 79.5,81.5 PG3V9RF.0@103,105
PLRF.FIX1_7: U500.5 U501.2 | length 3.6
  Top Layer w0.408: U501.2@40.25,20.9 U500.5@40.25,24.5
PLRF.FIX2_7: U501.5 U502.2 | length 7.5
  Top Layer w0.408: U502.2@36.345,14.345 37.71,14.345 ccw(c37.71,16.885) 40.25,16.885 U501.5@40.25,19
PLRF.VAR1_7: U502.14 U503.2 | length 2.1
  Top Layer w0.408: U503.2@30.595,14.345 U502.14@32.655,14.345
PLRF.VAR2_7: U503.14 U504.2 | length 2.1
  Top Layer w0.408: U504.2@24.845,14.345 U503.14@26.905,14.345
PLRF.VAR3_7: U504.14 U505.2 | length 2.1
  Top Layer w0.408: U505.2@19.095,14.345 U504.14@21.155,14.345
RA.RFI_10: C549.2 L507.1 U509.1 | length 4.4
  Top Layer w0.408: C549.2@33.17,48.325 L507.1@34.16,48.325 34.465,48.325 cw(c34.465,47.215) 35.25,48 36.154,47.096 cw(c35.258,46.2) U509.1@36.525,46.2
RA.RFO_10: C539.2 C542.1 C544.2 U509.28 | length 8.2
  Top Layer w0.408: 34.54,53 C544.2@35.45,53 C539.2@37,53 ; C539.2@36.9,52.75 36.9,48.794 ccw(c39.119,48.794) U509.28@37.55,47.225
RA.TXA_10: C541.1 U509.5 | length 1.7
  Top Layer w0.25: C541.1@35.16,42.755 35.637,43.232 cw(c36.525,42.345) U509.5@36.525,43.6
RA.VR_ANA_10: C556.2 U509.2 | length 2.8
  Top Layer w0.3: C556.2@34.16,46.575 34.91,46.575 35.935,45.55 U509.2@36.525,45.55
RA.VR_DIG_10: C555.2 U509.4 | length 2.4
  Top Layer w0.3: C555.2@34.16,44.075 34.16,44.095 34.31,44.245 34.33,44.245 34.335,44.25 U509.4@36.525,44.25
RA.VR_PA_10: C539.1 C552.2 C553.2 C554.1 U509.25
RADIO_NRST: U400.25 U509.7 | length 50.1
  Top Layer w0.15: v2(36.5,41.75) 36.5,42.275 U509.7@36.525,42.3 ; U400.25@80.5,47.25 v2(80.5,48.5)
  Bottom Layer w0.15: v2(36.5,41.75) 37.258,41.75 37.308,41.7 76.2,41.7 80.5,46 v2(80.5,48.5)
RBF_3V3: C202.2 Q201.1 U400.2 | length 79.7
  Top Layer w0.15: Q201.1@58.75,99.75 58.75,99.8 59.7,100.75 79.75,100.75 88,92.5 88,64.75 v2(83.75,60.5) ; U400.2@74.5,56.25 80.5,56.25 v2(81,56.75)
  Top Layer w0.3: C202.2@57.5,99.75 Q201.1@58.75,99.75
  Bottom Layer w0.15: v2(81,56.75) 81,57.75 v2(83.75,60.5)